# Altium PCB Antenny_v6.PcbDoc (part 1 of 2)
Units mil, origin at the board's own origin, x right, y up, seen from the top; angles counter-clockwise.
Board outline 3580.22 x 1713.89 mil, 2 copper layers (Top Layer, Bottom Layer); 81 components, 117 nets, 397 pads, 191 vias.
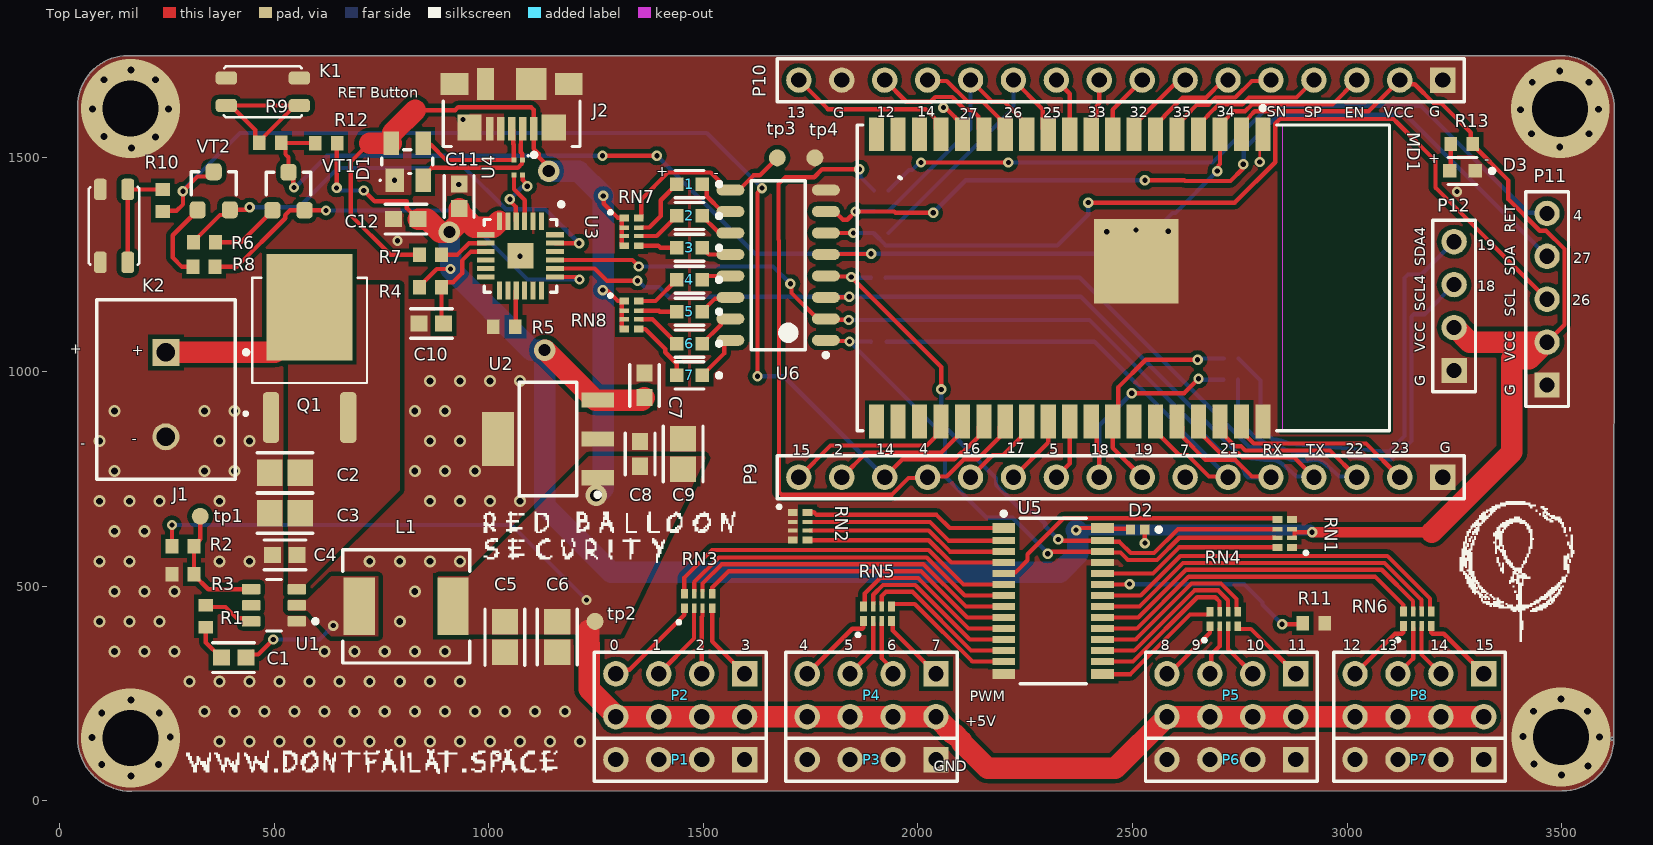
[diagram p0: Top Layer view]
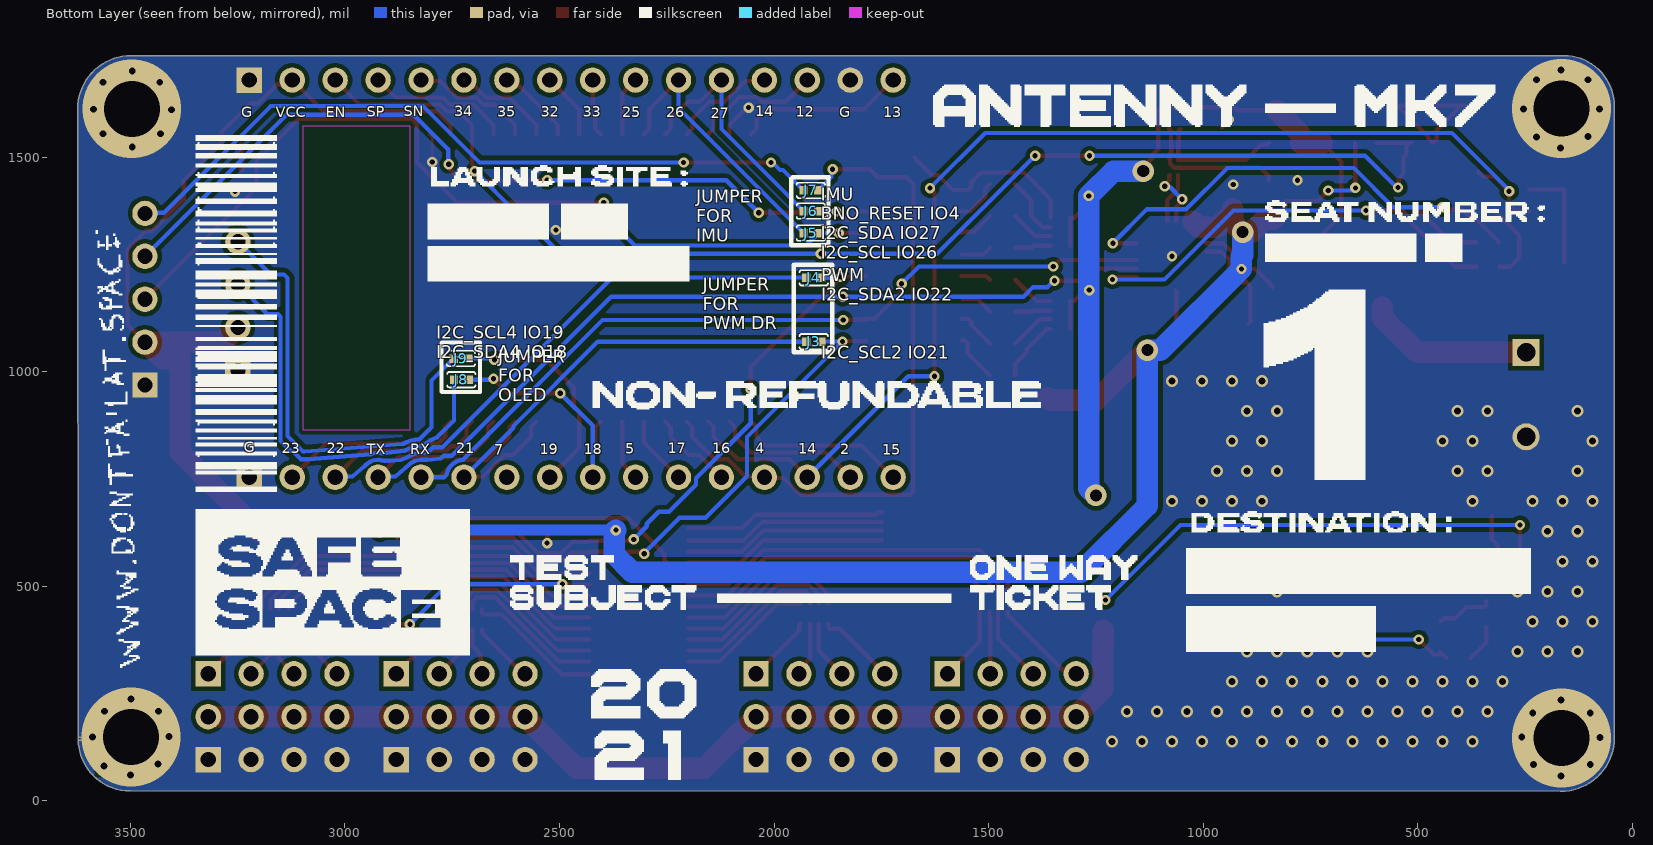
[diagram p1: Bottom Layer view, seen from below]
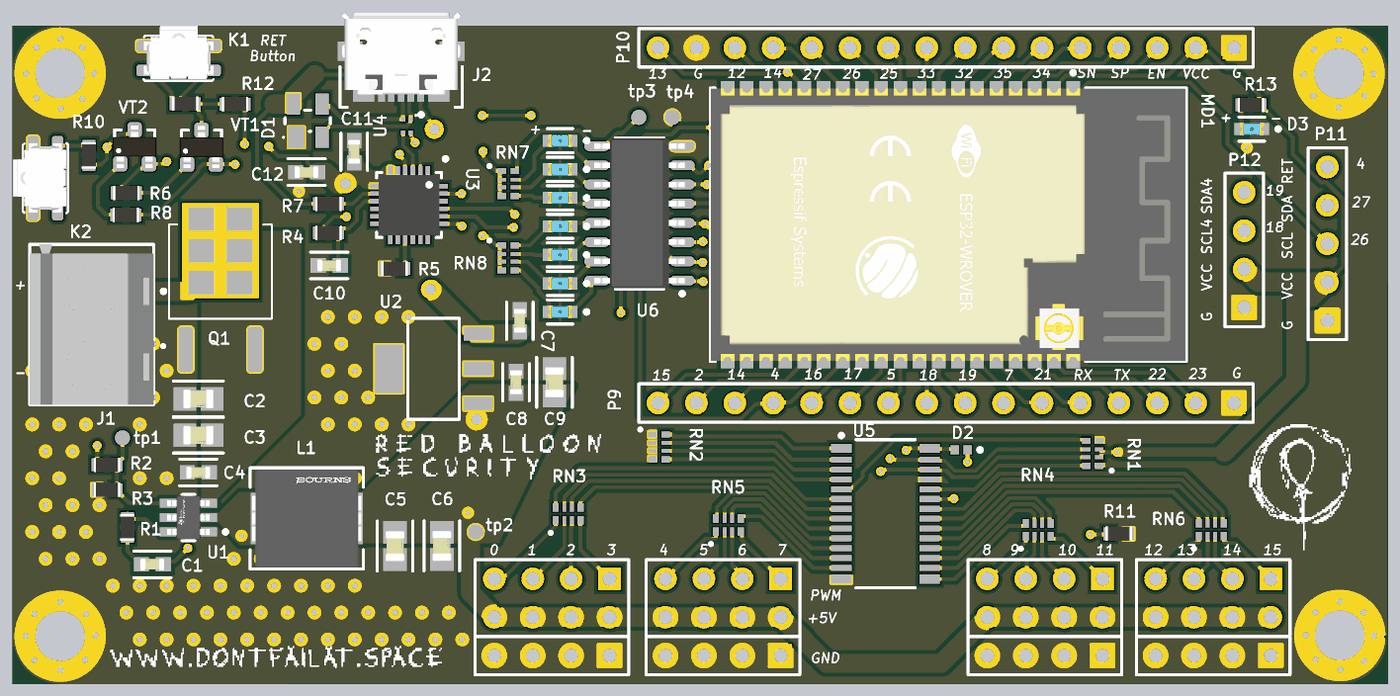
[diagram p3: 3D render of the assembled board from above, using the file's embedded part models]

## Layer stack, top to bottom
Top Solder: solder mask 0.4, Solder Resist, Dk 3.5
Top Layer: signal copper 1.4
Dielectric 1: dielectric 12.6, FR-4, Dk 4.8
Bottom Layer: signal copper 1.4
Bottom Solder: solder mask 0.4, Solder Resist, Dk 3.5

## Board outline
42.21,146.46 cw(c47.23,146.46) 42.25,147.04 cw(c47.23,147.64) 42.21,147.64 42.23,1617.72 cw(c159.75,1618.7) 159.75,1736.23 3497.3,1736.13 cw(c3498.28,1611.98) 3622.43,1611.98 3621.02,144.67 cw(c3617.41,144.66) 3621.02,144.7 3621.02,144.67 cw(c3499.21,143.66) 3621.03,143.67 cw(c3500.39,143.67) 3500.39,23.03 168.31,22.33 cw(c168.31,27.35) 167.83,22.36 cw(c167.36,27.33) 167.4,22.34 cw(c166.34,146.46)

## Design rules (kind name [scope] priority, off if disabled: settings)
Clearance [All] p1: gap=6 ignorepadtopadclearanceinfootprint=TRUE except(0: Arc-Hole Track-Hole SMDPad-Hole THPad-Hole Via-Hole Fill-Hole Poly-Hole Region-Hole Text-Hole; 10: Arc-Fill Arc-Poly Arc-Region Track-Fill Track-Poly Track-Region SMDPad-Fill SMDPad-Poly SMDPad-Region THPad-Fill THPad-Poly THPad-Region Via-Fill Via-Poly Via-Region Fill-Fill Fill-Poly Fill-Region Poly-Poly Poly-Region Region-Region)
ComponentClearance [All] p1: gap=6 collisioncheckmode=3 verticalgap=6 showdistances=FALSE
DiffPairsRouting [All] p1: maxlimit=10 minlimit=6 mostfreqgap=10 toplayer_minwidth=6 toplayer_maxwidth=15 toplayer_prefwidth=10 bottomlayer_minwidth=6 bottomlayer_maxwidth=15 bottomlayer_prefwidth=10 maxuncoupledlength=500
MinimumSolderMaskSliver [All] p1: minsoldermaskwidth=6
PlaneClearance [All] p1: clearance=0
PlaneConnect [All] p1: planeconnectstyle=Direct reliefexpansion=20 reliefentries=4 reliefconductorwidth=10 reliefairgap=10
PolygonConnect [All] p1: connectstyle=Direct reliefconductorwidth=10 reliefentries=4 polygonreliefangle="90 Angle" airgapwidth=10
RoutingVias [All] p1: holewidth=8 width=16 viastyle="Through Hole" minholewidth=6 minwidth=12 maxholewidth=28 maxwidth=50
SilkToSolderMaskClearance [IsPad] p1: minsilkscreentomaskgap=6 clearancetoexposedcopper=TRUE
SolderMaskExpansion [All] p1: expansion=4 istentingtop=FALSE
Width [All] p1: maxlimit=50 minlimit=6 preferedwidth=10
24 further rules are at their usual default settings.

## Classes and differential pairs
component class 06_LED_ARRAY: 1 2 3 4 5 6 7 RN7 RN8 tp3 tp4 U6
component class 05_ESP32: D3 J3 J4 J5 J6 J7 J8 J9 MD1 P9 P10 P11 P12 R12 R13
component class 04_PWMDRIVER: D2 P1 P2 P3 P4 P5 P6 P7 P8 R11 RN1 RN2 RN3 RN4 RN5 RN6 U5
component class 03_PUSHBUTTON: K1 K2 R6 R8 R9 R10 VT1 VT2
component class 02_USB2UART: C10 C11 C12 D1 J2 R4 R5 R7 U3 U4
component class 01_POWER_SUPPLY: C1 C2 C3 C4 C5 C6 C7 C8 C9 J1 L1 Q1 R1 R2 R3 tp1 tp2 U1 U2
differential pair D: +D_P -D_N
differential pair DATA: +DATA_P -DATA_N

## Components (designator, comment, footprint, x,y, rotation, side; value= is the part's Value field where it differs from the comment)
1 "LED0603_BLUE" FP-LTST-C191TBKT-MFG 1467.52,1437 r180 top
2 "LED0603_BLUE" FP-LTST-C191TBKT-MFG 1467.52,1362.69 r180 top
3 "LED0603_BLUE" FP-LTST-C191TBKT-MFG 1467.52,1288.38 r180 top
4 "LED0603_BLUE" FP-LTST-C191TBKT-MFG 1467.52,1214.07 r180 top
5 "LED0603_BLUE" FP-LTST-C191TBKT-MFG 1467.52,1139.76 r180 top
6 "LED0603_BLUE" FP-LTST-C191TBKT-MFG 1467.52,1065.45 r180 top
7 "LED0603_BLUE" FP-LTST-C191TBKT-MFG 1467.52,991.14 r180 top
C1 "C0603_0.1UF" FP-C0603C-CF-IPC_B 405.48,333.66 r0 top
C2 "C0805_10UF" FP-C0805C-DN-IPC_A 525.18,764.77 r180 top
C3 "C0805_10UF" FP-C0805C-DN-IPC_A 525.18,670.13 r180 top
C4 "C0603_0.1UF" FP-C0603C-CF-IPC_B 525.18,573.15 r180 top
C5 "C0805_22uF" FP-C0805C-DN-IPC_A 1037.64,381.36 r270 top
C6 "C0805_22uF" FP-C0805C-DN-IPC_A 1159.45,381.89 r270 top
C7 "C0603_1UF" FP-C0603C-CF-IPC_B 1362.68,968.15 r90 top
C8 "C0603_4.7UF" FP-C0603C-CF-IPC_B 1352.68,808.15 r90 top
C9 "C0805_10UF" FP-C0805C-DN-IPC_A 1452.68,808.15 r90 top
C10 "C0603_0.1UF" FP-C0603C-CF-IPC_B 866.14,1112.2 r180 top
C11 "C0603_4.7UF" FP-C0603C-CF-IPC_B 931.1,1408.46 r90 top
C12 "C0603_0.1UF" FP-C0603C-CF-IPC_B 807.09,1355.31 r180 top
D1 "SP0503BAHTG" LFUS-SOT143-4_V 810.04,1489.17 r90 top
D2 "UCLAMP3311T" SEMT-SLP1006P2-2_V 2511.81,631.89 r180 top
D3 "LED0603_BLUE" FP-LTST-C191TBKT-MFG 3268.7,1467.52 r180 top
J1 "282836-2" TECO-282836-2_V 247.68,946.57 r270 top
J2 "473460001" FP-473460001-MFG 1053.43,1656.46 r180 top
J3 "Jumper" 0402-0R 1907.48,1069.88 r180 bottom
J4 "Jumper" 0402-0R 1907.48,1218.5 r180 bottom
J5 "Jumper" 0402-0R 1914.37,1322.83 r180 bottom
J6 "Jumper" 0402-0R 1914.37,1374.02 r180 bottom
J7 "Jumper" 0402-0R 1914.37,1422.24 r0 bottom
J8 "Jumper" 0402-0R 2728.61,981.3 r0 bottom
J9 "Jumper" 0402-0R 2729.6,1030.51 r0 bottom
K1 "SKSCLAE010" ButtonTACT_3.5*3.55_90 473.78,1652.08 r0 top value=3.4x3.5
K2 "SKSCLAE010" ButtonTACT_3.5*3.55_90 126.97,1339.57 r90 top value=3.4x3.5
L1 "0650_5.6UH" FP-SRP6540-MFG 807.68,453.15 r0 top
MD1 "ESP32-WROVER-IB (16MB)" FP-ESP32-WROVER-MFG 2478.35,1218.31 r270 top
P1 "Header 4" HDR1X4 1596.1,96.1 r180 top
P2 "Header 4X2" HDR2X4 1596.1,296.1 r180 top
P3 "Header 4" HDR1X4 2041.91,96.1 r180 top
P4 "Header 4X2" HDR2X4 2041.91,296.1 r180 top
P5 "Header 4X2" HDR2X4 2880.07,296.1 r180 top
P6 "Header 4" HDR1X4 2880.07,96.1 r180 top
P7 "Header 4" HDR1X4 3318.24,96.1 r180 top
P8 "Header 4X2" HDR2X4 3318.24,296.1 r180 top
P9 "Header 16" HDR1X16 3222.44,753.94 r180 top
P10 "Header 16" HDR1X16 3222.44,1679.13 r180 top
P11 "Header 5" HDR1X5 3465.55,968.7 r90 top
P12 "Header 4" HDR1X4 3249.02,1002.76 r90 top
Q1 "AOD417_PMOS-TO-252-DARP" DPAK228P994X240_3N 582.68,1054.17 r0 top
R1 "R0603_30R" RESC1609X55X30LL15T15 340.55,430.12 r270 top
R2 "R0603_52.3K" RESC1609X55X30LL15T15 287.68,593.15 r180 top
R3 "R0603_10K" RESC1609X55X30LL15T15 287.68,528.15 r0 top
R4 "R0603_10K" RESC1609X55X30LL15T15 864.17,1196.85 r0 top
R5 "R0603_10K" RESC1609X55X30LL15T15 1036.42,1104.33 r180 top
R6 "R0603_10K" RESC1609X55X30LL15T15 337.6,1301.18 r180 top
R7 "R0603_10K" RESC1609X55X30LL15T15 864.17,1272.64 r0 top
R8 "R0603_10K" RESC1609X55X30LL15T15 336.61,1244.09 r0 top
R9 "R0603_1K" RESC1609X55X30LL15T15 491.14,1533.46 r0 top
R10 "R0603_1K" RESC1609X55X30LL15T15 240.16,1398.62 r270 top
R11 "R0603_10K" RESC1609X55X30LL15T15 2922.24,413.39 r180 top
R12 "R0603_10K" RESC1609X55X30LL15T15 621.06,1532.48 r0 top
R13 "R0603_1K" RESC1609X55X30LL15T15 3266.73,1530.51 r0 top
RN1 "YC124_10K" YC124 2854.53,623.03 r180 top
RN2 "YC124_10K" YC124 1725.59,639.76 r0 top
RN3 "YC124_1K" YC124 1488.19,465.35 r90 top
RN4 "YC124_1K" YC124 2712.6,423.43 r90 top
RN5 "YC124_1K" YC124 1905.51,436.02 r90 top
RN6 "YC124_1K" YC124 3163.39,424.21 r90 top
RN7 "YC124_1K" YC124 1332.68,1325.79 r0 top
RN8 "YC124_1K" YC124 1332.68,1131.89 r0 top
tp1 "testpoint" testpoint_1mm#1 327.68,663.15 r0 top locked
tp2 "testpoint" testpoint_1mm#2 1347.68,418.15 r90 top locked
tp3 "testpoint" testpoint_1mm#1 1672.24,1498.03 r90 top locked
tp4 "testpoint" testpoint_1mm#1 1759.84,1498.03 r90 top locked
U1 "TPS56339DDCR" FP-DDC0006A-MFG 499.53,455.75 r180 top
U2 "MCP1826S-3302E/DB" SOT-223-DB3_L 1137.68,843.15 r180 top
U3 "CP2102N-A02-GQFN24" SLAB-QFN-24-2550x2550TP_A_V 1073.9,1269.74 r270 top
U4 "comm_choke" EXC14CE900U 1068.43,1475.51 r270 top
U5 "PCA9685PW,112" SOT361-1_V 2314.96,465.55 r0 top
U6 "ULN2003ADR" D0016A_M 1674.21,1248.03 r180 top
VT1 "S8050" SMT_TRIODE_NPN 533.46,1420.28 r0 top
VT2 "S8050" SMT_TRIODE_NPN 359.25,1421.26 r0 top

## Footprints (in the part's own frame and the unit in brackets; to place one, negate y for a bottom-side part, rotate by r counter-clockwise, add the part's x,y. Pads: shape width x height; smd on the part's side, far side on the other; paste and mask are expansions set on the pad)
0402-0R [mm]
  rect 0.5x0.5 smd: 1(-0.432,0) 2(0.432,0)
  silkscreen extent -0.84,-0.46 0.84,0.46
ButtonTACT_3.5*3.55_90 [mil]
  rrect50% 50x30 smd: 1(-85,32) 2(-85,-32) 3(85,32) 4(85,-32)
  silkscreen extent -91,-59 91,59, body extent -90,-55 91,85, height 56
D0016A_M [mm] "SOIC, 16-Leads, Body 10x4mm, Pitch 1.27mm, IPC Low Density"
  oval 1.65x0.65 smd: 1(-2.825,4.445) 2(-2.825,3.175) 3(-2.825,1.905) 4(-2.825,0.635) 5(-2.825,-0.635) 6(-2.825,-1.905) 7(-2.825,-3.175) 8(-2.825,-4.445) 9(2.825,-4.445) 10(2.825,-3.175) 11(2.825,-1.905) 12(2.825,-0.635) 13(2.825,0.635) 14(2.825,1.905) 15(2.825,3.175) 16(2.825,4.445)
  silkscreen extent -2.95,-5 1.6,5.44, body extent -3,-4.95 3,4.95, height 1.59
DPAK228P994X240_3N [mm]
  rrect50% 0.97x3.02 smd: 1(-2.286,-4.09) 3(2.286,-4.09)
  rect 5.09x6.32 smd paste-4: 4(0,2.44)
  silkscreen extent -3.89,-3.96 3.4,4.18
EXC14CE900U [mm] "Chip Array, Flat, 4-Leads, Pitch 0.50mm,  Body 0.85x0.90mm,  IPC Medium Density"
  rect 0.3x0.3 smd: 1(-0.45,0.25) 2(-0.45,-0.25) 3(0.45,-0.25) 4(0.45,0.25)
  silkscreen extent -0.75,0.55 -0.65,0.65, body extent -0.5,-0.45 0.5,0.45, height 1
FP-473460001-MFG [mm]
  rect 0.45x1.38 smd paste+0 mask+0: 1(-1.3,2.31) 2(-0.65,2.31) 3(0,2.31) 4(0.65,2.31) 5(1.3,2.31)
  rect 1.425x1.55 smd paste+0 mask+0: 6(-2.488,2.225) 7(2.488,2.225)
  rect 1.65x1.3 smd paste+0 mask+0: 8(-3.375,-0.35) 11(3.375,-0.35)
  rect 1.8x1.9 smd paste+0 mask+0: 9(-1.15,-0.35)
  rect 1x1.9 smd paste+0 mask+0: 10(1.55,-0.35)
  silkscreen extent -4.05,0.67 4.05,3.97, body extent -4.3,-2.48 4.3,3.45, height 0.25
FP-C0603C-CF-IPC_B [mil]
  rect 39.63x37.73 smd paste+0 mask+0: 1(-28.58,0) 2(28.58,0)
  silkscreen extent -48,-35 48,35, body extent -58,-29 58,29, height 10
FP-C0805C-DN-IPC_A [mil]
  rect 59.24x61.27 smd paste+0 mask+0: 1(-35.46,0) 2(35.46,0)
  silkscreen extent -65,-46 65,46, body extent -85,-50 85,50, height 10
FP-DDC0006A-MFG [mm]
  rrect17% 1.1x0.6 smd paste+0 mask+0: 1(-1.35,0.95) 2(-1.35,0) 3(-1.35,-0.95) 4(1.35,-0.95) 5(1.35,0) 6(1.35,0.95)
  silkscreen extent -2.58,-1.53 0.42,1.53, body extent -2,-1.63 2,1.63, height 0.25
FP-ESP32-WROVER-MFG [mm]
  rect 2x0.9 smd paste+0 mask+0: 1(-8.5,8.26) 2(-8.5,6.99) 3(-8.5,5.72) 4(-8.5,4.45) 5(-8.5,3.18) 6(-8.5,1.91) 7(-8.5,0.64) 8(-8.5,-0.63) 9(-8.5,-1.9) 10(-8.5,-3.17) 11(-8.5,-4.44) 12(-8.5,-5.71) 13(-8.5,-6.98) 14(-8.5,-8.25) 15(-8.5,-9.52) 16(-8.5,-10.79) 17(-8.5,-12.06) 18(-8.5,-13.33) 19(-8.5,-14.6) 20(8.5,-14.6) 21(8.5,-13.33) 22(8.5,-12.06) 23(8.5,-10.79) 24(8.5,-9.52) 25(8.5,-8.25) 26(8.5,-6.98) 27(8.5,-5.71) 28(8.5,-4.44) 29(8.5,-3.17) 30(8.5,-1.9) 31(8.5,-0.63) 32(8.5,0.64) 33(8.5,1.91) 34(8.5,3.18) 35(8.5,4.45) 36(8.5,5.72) 37(8.5,6.99) 38(8.5,8.26)
  rect 5x5 smd paste+0 mask+0: 39(-1,0.76)
  Keep-Out Layer region: -9,9.4 9,9.4 9,15.7 -9,15.7
  silkscreen extent -10.17,-15.75 9.05,15.75, body extent -9.6,-15.85 9.6,15.85, height 0.25
FP-LTST-C191TBKT-MFG [mm]
  rect 0.8x0.8 smd paste+0 mask+0: 1(-0.75,0) 2(0.75,0)
  silkscreen extent -1.88,-0.8 0.85,0.8, body extent -1.25,-0.55 1.25,0.55, height 0.25
FP-SRP6540-MFG [mm]
  rect 1.85x3.4 smd paste+0 mask+0: 1(-2.775,0) 2(2.775,0)
  silkscreen extent -3.75,-3.35 3.75,3.35, body extent -3.85,-3.45 3.85,3.45, height 0.25
HDR1X4 [mm] "Connector; Header; 4 Position"
  rect 1.5x1.5 hole 0.9: 1(0,0)
  round 1.5 hole 0.9: 2(2.54,0) 3(5.08,0) 4(7.62,0)
  silkscreen extent -1.27,-1.27 8.89,1.27
HDR1X5 [mm] "Connector; Header; 5 Position"
  rect 1.5x1.5 hole 0.9: 1(0,0)
  round 1.5 hole 0.9: 2(2.54,0) 3(5.08,0) 4(7.62,0) 5(10.16,0)
  silkscreen extent -1.27,-1.27 11.43,1.27
HDR1X16 [mm] "Connector; Header; 16 Position"
  rect 1.5x1.5 hole 0.9: 1(0,0)
  round 1.5 hole 0.9: 2(2.54,0) 3(5.08,0) 4(7.62,0) 5(10.16,0) 6(12.7,0) 7(15.24,0) 8(17.78,0) 9(20.32,0) 10(22.86,0) 11(25.4,0) 12(27.94,0) 13(30.48,0) 14(33.02,0) 15(35.56,0) 16(38.1,0)
  silkscreen extent -1.27,-1.27 39.37,1.27
HDR2X4 [mm] "Connector; Header; 4x2 Position"
  rect 1.5x1.5 hole 0.9: 1(0,0)
  round 1.5 hole 0.9: 2(0,2.54) 3(2.54,0) 4(2.54,2.54) 5(5.08,0) 6(5.08,2.54) 7(7.62,0) 8(7.62,2.54)
  silkscreen extent -1.27,-1.27 8.89,3.81
LFUS-SOT143-4_V [mm] "SOT143, 4-Leads, Body 3.04x1.4mm, Pitch 1.90mm"
  rect 1.4x1.1 smd: 1(-1.1,0.75)
  rect 1.4x0.9 smd: 2(-1.1,-0.95) 3(1.1,-0.95) 4(1.1,0.95)
  silkscreen extent -1.15,-1.5 0.7,1.65, body extent -0.7,-1.52 0.7,1.52, height 1.22
RESC1609X55X30LL15T15 [mm] "Chip Resistor, 2-Leads, Body 1.75x0.95mm, IPC High Density"
  rect 0.75x0.85 smd: 1(-0.65,0) 2(0.65,0)
  body extent -0.87,-0.48 0.87,0.48, height 0.55
SEMT-SLP1006P2-2_V [mm] "SMD, 2-Leads, Body 1x0.6mm"
  rect 0.55x0.6 smd: 1(-0.425,0) 2(0.425,0)
  silkscreen extent -1.38,-0.12 -1.13,0.12, body extent -0.5,-0.3 0.5,0.3, height 0.55
SLAB-QFN-24-2550x2550TP_A_V [mm] "QFN, 6-Leads, Body 4x4mm, Pitch 0.5mm, Thermal Pad 2.55x2.55mm"
  rect 1.053x0.3 smd: 1(-2.052,1.25) 2(-2.052,0.75) 3(-2.052,0.25) 4(-2.052,-0.25) 5(-2.052,-0.75) 6(-2.052,-1.25) 13(2.052,-1.25) 14(2.052,-0.75) 15(2.052,-0.25) 16(2.052,0.25) 17(2.052,0.75) 18(2.052,1.25)
  rect 0.3x1.053 smd: 7(-1.25,-2.052) 8(-0.75,-2.052) 9(-0.25,-2.052) 10(0.25,-2.052) 11(0.75,-2.052) 12(1.25,-2.052) 19(1.25,2.052) 20(0.75,2.052) 21(0.25,2.052) 22(-0.25,2.052) 23(-0.75,2.052) 24(-1.25,2.052)
  rect 1.524x1.524 smd: 25(0,0)
  silkscreen extent -3.17,-2.15 2.15,2.54, body extent -2,-2 2,2, height 0.8
SMT_TRIODE_NPN [mm]
  rrect50% 0.95x1 smd: 1(-0.95,-1.125) 2(0.95,-1.125) 3(0,1.125)
  silkscreen extent -1.33,-0.22 1.32,1.13, body extent -1.45,-1.4 1.45,1.4, height 1.3
SOT361-1_V [mm] "SOP, 28-Leads, Body 9.7x4.4mm, Pitch 0.65mm, NXP Recommended"
  rect 1.35x0.6 smd: 1(-2.925,4.325) 14(-2.925,-4.325) 15(2.925,-4.325) 28(2.925,4.325)
  rect 1.35x0.4 smd: 2(-2.925,3.575) 3(-2.925,2.925) 4(-2.925,2.275) 5(-2.925,1.625) 6(-2.925,0.975) 7(-2.925,0.325) 8(-2.925,-0.325) 9(-2.925,-0.975) 10(-2.925,-1.625) 11(-2.925,-2.275) 12(-2.925,-2.925) 13(-2.925,-3.575) 16(2.925,-3.575) 17(2.925,-2.925) 18(2.925,-2.275) 19(2.925,-1.625) 20(2.925,-0.975) 21(2.925,-0.325) 22(2.925,0.325) 23(2.925,0.975) 24(2.925,1.625) 25(2.925,2.275) 26(2.925,2.925) 27(2.925,3.575)
  silkscreen extent -3.05,-4.9 1.96,5.3, body extent -2.2,-4.85 2.2,4.85, height 1.1
SOT-223-DB3_L [mm] "SOT223, 4-Leads, Body 6.5x3.5mm, Pitch 2.3mm, Lead Span 7mm, IPC High Density"
  rect 1.9x0.9 smd: 1(-2.95,2.3) 2(-2.95,0) 3(-2.95,-2.3)
  rect 1.9x3.2 smd: 4(2.95,0)
  silkscreen extent -3.08,-3.35 1.7,3.42, body extent -1.85,-3.35 1.85,3.35, height 1.8
TECO-282836-2_V [mm] "Female Header, Pitch 5mm, 1 x 2 Position, Height 10mm"
  rect 1.6x1.6 hole 1.1: 1(-2.5,0)
  round 1.6 hole 1.1: 2(2.5,0)
  silkscreen extent -5.6,-4.1 5,4.88, body extent -5.6,-4.1 5,4.1, height 10
testpoint_1mm#1 [mm]
  round 1 smd: 1(0,0)
testpoint_1mm#2 [mm]
  round 1 smd: 1(0,2.54)
YC124 [mm]
  rect 0.57x0.41 smd: 1(-0.43,0.825) 4(-0.43,-0.825) 5(0.43,-0.825) 8(0.43,0.825)
  rect 0.57x0.26 smd: 2(-0.43,0.25) 3(-0.43,-0.25) 6(0.43,-0.25) 7(0.43,0.25)
  silkscreen extent -1.35,1.05 -1.15,1.25

## Part data
1 2 3 4 5 6 7 D3: library part CMP-22017-000008-1, "LED BLUE CLEAR CHIP SMD", Case Code (Imperial)=0603, Case Code (Metric)=1608, Color=Blue, Forward Current=20mA, Forward Voltage=3.8V, Lens Color=Colorless, Max Operating Temperature=80°C, Max Power Dissipation=75mW, Min Operating Temperature=-20°C, Package Quantity=1, Power Dissipation=76mW, Reverse Voltage=5V, Case/Package=0603, Depth=1.6mm, Dominant Wavelength=475nm, Height=0.55mm, Illumination Color=Blue, Lead Free="Lead Free", Length=0.8mm, Lens Style=Diffused, Lens Transparency=Clear, Luminous Intensity=180mcd, Mount="Surface Mount", Number of Elements=1, Number of LEDs=1, Number of Pins=2, Packaging="Tape and Reel", Radiation Hardening=No, Test Current=20mA, Viewing Angle=130°, Wavelength=468nm, Width=0.8mm
C1 C4 C10 C12: library part C0603, "Multilayer Ceramic Capacitors MLCC Surface Mount 0603 0.1uF 50 Volts X7R 10%", Capacitance=100nF, Case Code (Imperial)=0603, Case Code (Metric)=1608, Dielectric=X7R, Dielectric Material=Ceramic, Insulation Resistance=10GR, Manufacturer=Murata, Manufacturer Part Number=GRM188R71H104KA93D, Max Operating Temperature=125°C, Min Operating Temperature=-55°C, Package Quantity=1, Supplier Part Number 1=8820023, Tolerance=10%, Voltage=50V, Case/Package=0603, Category="Ceramic Capacitors", ComponentLink1Description=https://datasheet.ciiva.com/19467/1857604-19467681.pdf?src-supplier=Jameco, ComponentLink1URL=https://datasheet.ciiva.com/19467/1857604-19467681.pdf?src-supplier=Jameco, ComponentLink2Description=https://datasheet.ciiva.com/11786/0900766b807a1cab-11786047.pdf?src-supplier=RSComponents, ComponentLink2URL=https://datasheet.ciiva.com/11786/0900766b807a1cab-11786047.pdf?src-supplier=RSComponents, ComponentLink3Description=https://datasheet.ciiva.com/29201/451744-da-01-en-vs-kondensator-0603-29201904.pdf?src-supplier=Conrad, ComponentLink3URL=https://datasheet.ciiva.com/29201/451744-da-01-en-vs-kondensator-0603-29201904.pdf?src-supplier=Conrad, ComponentLink4Description=https://datasheet.ciiva.com/131/partnumbering-e-01-131738.pdf?src-supplier=Digi-Key, ComponentLink4URL=https://datasheet.ciiva.com/131/partnumbering-e-01-131738.pdf?src-supplier=Digi-Key, ComponentLink5Description=https://datasheet.ciiva.com/131/partnumbering-e-01-131739.pdf?src-supplier=Digi-Key, ComponentLink5URL=https://datasheet.ciiva.com/131/partnumbering-e-01-131739.pdf?src-supplier=Digi-Key, ComponentLink6Description=https://datasheet.ciiva.com/131/partnumbering-e-01-131740.pdf?src-supplier=Digi-Key, ComponentLink6URL=https://datasheet.ciiva.com/131/partnumbering-e-01-131740.pdf?src-supplier=Digi-Key, ComponentLink7Description=https://datasheet.ciiva.com/48436/nmgrm-data-en-48436667.pdf?src-supplier=Distrelec, ComponentLink7URL=https://datasheet.ciiva.com/48436/nmgrm-data-en-48436667.pdf?src-supplier=Distrelec, ComponentLink8Description=https://datasheet.ciiva.com/14116/nmgrm-data-en-14116602.pdf?src-supplier=Distrelec, ComponentLink8URL=https://datasheet.ciiva.com/14116/nmgrm-data-en-14116602.pdf?src-supplier=Distrelec, ComponentLink9Description=https://datasheet.ciiva.com/28534/4360-28534245.pdf?src-supplier=Element14, ComponentLink9URL=https://datasheet.ciiva.com/28534/4360-28534245.pdf?src-supplier=Element14, ComponentLink10Description=https://datasheet.ciiva.com/7937/4360-7937659.pdf?src-supplier=Element14, ComponentLink10URL=https://datasheet.ciiva.com/7937/4360-7937659.pdf?src-supplier=Element14, ComponentLink11Description=https://datasheet.ciiva.com/7937/1747470-7937658.pdf?src-supplier=Element14, ComponentLink11URL=https://datasheet.ciiva.com/7937/1747470-7937658.pdf?src-supplier=Element14, Contact Plating=Tin,Matte, Depth=0.8mm, Height=0.8mm, Lead Free="Lead Free", Length=1.6mm, Material=Ceramic, Mount="Surface Mount", Number of Pins=2, Packaging="Tape and Reel", Pricing 1="10=0.04520, 100=0.02000, 500=0.01550, 1000=0.01360, 2000=0.01130, 4000=0.00980, 20000=0.00730, 40000=0.00720 (GBP)", Radiation Hardening=No, REACH SVHC="No SVHC", RoHS=Yes, RoHS Compliant=Yes, Supplier 1=Farnell, Termination=SMD/SMT, Thickness=0.035inch, Voltage Rating=50V, Voltage Rating (DC)=50V, Width=0.8mm
C2 C3 C9: library part C0805, "MURATA - GRM21BR61E106MA73L - SMD Multilayer Ceramic Capacitor, 10 µF, 25 V, 0805 [2012 Metric], ± 20%, X5R, GRM Series", Capacitance=10uF, Case Code (Imperial)=0805, Case Code (Metric)=2012, Dielectric=X5R, Manufacturer=Murata, Manufacturer Part Number=GRM21BR61E106MA73L, Max Operating Temperature=85°C, Min Operating Temperature=-55°C, Package Quantity=3000, Resistor Type=Ceramic, Supplier Part Number 1=490-10748-1-ND, Tolerance=20%, Voltage Rating=25V, Case/Package=0805, Category="Ceramic Capacitors", ComponentLink1Description=http://www.farnell.com/datasheets/2079185.pdf?src-supplier=Farnell, ComponentLink1URL=http://www.farnell.com/datasheets/2079185.pdf?src-supplier=Farnell, ComponentLink2Description=Datasheet, ComponentLink2URL=https://content.kemet.com/datasheets/KEM_C1003_C0G_SMD.pdf, ComponentLink3Description=http://www.mouser.com/ds/2/281/c02e-2905.pdf?src-supplier=Mouser, ComponentLink3URL=http://www.mouser.com/ds/2/281/c02e-2905.pdf?src-supplier=Mouser, ComponentLink4Description=http://components.arrow.com/part/dataview/0323_03061623?src-supplier=Arrow+Europe, ComponentLink4URL=http://components.arrow.com/part/dataview/0323_03061623?src-supplier=Arrow+Europe, ComponentLink5Description=https://search.murata.co.jp/Ceramy/image/img/A01X/G101/ENG/GRM21BR61E106MA73-01.pdf?src-supplier=Digi-Key, ComponentLink5URL=https://search.murata.co.jp/Ceramy/image/img/A01X/G101/ENG/GRM21BR61E106MA73-01.pdf?src-supplier=Digi-Key, ComponentLink6Description=http://www.farnell.com/datasheets/2079185.pdf?src-supplier=Element14, ComponentLink6URL=http://www.farnell.com/datasheets/2079185.pdf?src-supplier=Element14, Depth=1.25mm, Height=1.25mm, Lead Free="Lead Free", Length=2mm, Mount="Surface Mount", Packaging="Tape and Reel", Pricing 1="1=0.26000, 10=0.17900, 50=0.11960, 100=0.10170, 500=0.07176, 1000=0.06279 (USD)", REACH SVHC="No SVHC", RoHS=Yes, RoHS Compliant=Yes, Supplier 1=Digi-Key, Termination=SMD/SMT, Thickness=0.055inch, Voltage Rating (DC)=25V, Weight=0.000335oz, Width=0.049inch
  C2 C3: Stock 1=272100
  C9: Stock 1=263487
C5 C6: library part C0805, "TDK - C2012X7S1A226M125AC - SMD Multilayer Ceramic Capacitor, 22 µF, 10 V, 0805 [2012 Metric], ± 20%, X7S, C Series", Capacitance=22uF, Case Code (Imperial)=0805, Case Code (Metric)=2012, Dielectric=X7S, Dielectric Material=Ceramic, Manufacturer=TDK, Manufacturer Part Number=C2012X7S1A226M125AC, Max Operating Temperature=125°C, Min Operating Temperature=-55°C, Package Quantity=2000, Supplier Part Number 1=9159463P, Tolerance=20%, Voltage Rating=10V, Case/Package=0805, Category="Ceramic Capacitors", ComponentLink1Description=https://datasheet.ciiva.com/14893/tdkmlcccaprange-14893287.pdf?src-supplier=Digi-Key, ComponentLink1URL=https://datasheet.ciiva.com/14893/tdkmlcccaprange-14893287.pdf?src-supplier=Digi-Key, ComponentLink2Description=Datasheet, ComponentLink2URL=https://content.kemet.com/datasheets/KEM_C1003_C0G_SMD.pdf, ComponentLink3Description=https://datasheet.ciiva.com/14893/tdkmlcccaprange-14893288.pdf?src-supplier=Digi-Key, ComponentLink3URL=https://datasheet.ciiva.com/14893/tdkmlcccaprange-14893288.pdf?src-supplier=Digi-Key, ComponentLink4Description=https://datasheet.ciiva.com/14893/tdkmlcccaprange-14893289.pdf?src-supplier=Digi-Key, ComponentLink4URL=https://datasheet.ciiva.com/14893/tdkmlcccaprange-14893289.pdf?src-supplier=Digi-Key, Height=1.25mm, Lead Free="Lead Free", Length=0.079inch, Mount="Surface Mount", Packaging="Tape and Reel", Pricing 1="5=0.92400, 25=0.86000, 100=0.75800, 250=0.62800, 500=0.51700 (USD)", REACH SVHC="No SVHC", RoHS=Yes, RoHS Compliant=Yes, Series=C, Stock 1=1, Supplier 1=RSComponents, Termination=SMD/SMT, Thickness=0.057inch, Voltage Rating (DC)=10V, Weight=0.000194oz, Width=1.25mm
C7: library part C0603, "0603 1 uF 50 V ±10% Tolerance X5R Surface Mount Multilayer Ceramic Capacitor", Capacitance=1uF, Case Code (Imperial)=0603, Case Code (Metric)=1608, Dielectric=X5R, Manufacturer="Taiyo Yuden", Manufacturer Part Number=UMK107BJ105KA-T, Max Operating Temperature=85°C, Min Operating Temperature=-55°C, Package Quantity=1, Supplier Part Number 1=06X2717, Tolerance=10%, Voltage Rating=50V, Case/Package=0603, Category="Ceramic Capacitors", ComponentLink1Description=https://datasheet.ciiva.com/134/umk107bj105ka-t-ss-134740.pdf?src-supplier=Digi-Key, ComponentLink1URL=https://datasheet.ciiva.com/134/umk107bj105ka-t-ss-134740.pdf?src-supplier=Digi-Key, ComponentLink2Description=https://datasheet.ciiva.com/11601/umk107bj105ka-t-ss-11601811.pdf?src-supplier=Avnet, ComponentLink2URL=https://datasheet.ciiva.com/11601/umk107bj105ka-t-ss-11601811.pdf?src-supplier=Avnet, ComponentLink3Description=https://datasheet.ciiva.com/5744/1697715-5744913.pdf?src-supplier=Farnell, ComponentLink3URL=https://datasheet.ciiva.com/5744/1697715-5744913.pdf?src-supplier=Farnell, ComponentLink4Description=https://datasheet.ciiva.com/30199/43umk107bj105ka-t-30199791.pdf?src-supplier=Onlinecomponents.com, ComponentLink4URL=https://datasheet.ciiva.com/30199/43umk107bj105ka-t-30199791.pdf?src-supplier=Onlinecomponents.com, ComponentLink5Description=https://datasheet.ciiva.com/15922/336umk107bj105ka-t-15922611.pdf?src-supplier=Onlinecomponents.com, ComponentLink5URL=https://datasheet.ciiva.com/15922/336umk107bj105ka-t-15922611.pdf?src-supplier=Onlinecomponents.com, ComponentLink6Description=https://datasheet.ciiva.com/5427/mlcc-all-e-541559-5427036.pdf?src-supplier=Mouser, ComponentLink6URL=https://datasheet.ciiva.com/5427/mlcc-all-e-541559-5427036.pdf?src-supplier=Mouser, ComponentLink7Description=https://datasheet.ciiva.com/7975/mlcc-all-e-7975898.pdf?src-supplier=Element14, ComponentLink7URL=https://datasheet.ciiva.com/7975/mlcc-all-e-7975898.pdf?src-supplier=Element14, ComponentLink8Description=https://datasheet.ciiva.com/7975/1697715-7975608.pdf?src-supplier=Element14, ComponentLink8URL=https://datasheet.ciiva.com/7975/1697715-7975608.pdf?src-supplier=Element14, ComponentLink9Description=https://datasheet.ciiva.com/22694/1697715-22694278.pdf?src-supplier=Element14, ComponentLink9URL=https://datasheet.ciiva.com/22694/1697715-22694278.pdf?src-supplier=Element14, Construction=Flat, Contact Plating=Nickel, Depth=0.8mm, Halogen Free="Halogen Free", Height=0.8mm, Length=1.6mm, Mount="Surface Mount", Number of Pins=2, Packaging="Tape and Reel", Pricing 1="4000=0.05100, 8000=0.04300, 16000=0.03800, 24000=0.03500 (USD)", Radiation Hardening=No, REACH SVHC=Unknown, RoHS=Yes, RoHS Compliant=Yes, Series=M, Stock 1=80000, Supplier 1=Newark, Termination=SMD/SMT, Thickness=0.035inch, Voltage Rating (DC)=50V, Width=0.031inch
C8 C11: library part C0603, "CAP CER 4.7UF 0603", Capacitance=4.7uF, Case Code (Imperial)=0402, Case Code (Metric)=1005, Dielectric=X5R, Manufacturer=Murata, Manufacturer Part Number=GRM155R60J475ME47D, Max Operating Temperature=85°C, Min Operating Temperature=-55°C, Package Quantity=10000, Tolerance=20%, Voltage=6.3V, Case/Package=0402, Category="Ceramic Capacitors", ComponentLink1Description=https://datasheet.ciiva.com/6270/product-6270483.pdf?src-supplier=Digi-Key, ComponentLink1URL=https://datasheet.ciiva.com/6270/product-6270483.pdf?src-supplier=Digi-Key, ComponentLink2Description=https://datasheet.ciiva.com/6268/partnumbering-e-01-6268378.pdf?src-supplier=Digi-Key, ComponentLink2URL=https://datasheet.ciiva.com/6268/partnumbering-e-01-6268378.pdf?src-supplier=Digi-Key, ComponentLink3Description=https://datasheet.ciiva.com/6268/partnumbering-e-01-6268382.pdf?src-supplier=Digi-Key, ComponentLink3URL=https://datasheet.ciiva.com/6268/partnumbering-e-01-6268382.pdf?src-supplier=Digi-Key, ComponentLink4Description=https://datasheet.ciiva.com/46418/1769893-46418045.pdf?src-supplier=Element14, ComponentLink4URL=https://datasheet.ciiva.com/46418/1769893-46418045.pdf?src-supplier=Element14, ComponentLink5Description=https://datasheet.ciiva.com/46418/1769893-46418044.pdf?src-supplier=Element14, ComponentLink5URL=https://datasheet.ciiva.com/46418/1769893-46418044.pdf?src-supplier=Element14, Contact Plating=Tin, Depth=0.5mm, Height=0.5mm, Lead Free="Lead Free", Length=1mm, Mount="Surface Mount", Packaging="Cut Tape", Pricing 1="10000=0.01960, 20000=0.01861, 40000=0.01762, 60000=0.01663, 80000=0.01564, 100000=0.01465, 1000000=0.01366 (USD)", REACH SVHC="No SVHC", RoHS=Yes, RoHS Compliant=Yes, Series=GRM, Stock 1=420000, Termination=Standard, Thickness=0.022inch, Voltage Rating=6.3V, Voltage Rating (DC)=6.3V, Weight=0.000212oz, Width=0.5mm
D1: library part CMP-2000-05191-1, "TVS Diode Array, 30 pF, 30 KV, -40 to 85 degC, 4-Pin SOT143, RoHS, Tape and Reel", Capacitance Value=30pF, Clamping Voltage=8V, Leakage Current=0.1uA, Manufacturer=Littelfuse, Operating Temp Range=-40Cto85C, Operating Temperature Classification=Industrial, Operating Temperature Max Deg. C=85C, Operating Temperature Min Deg. C=-40C, Package / Case=SOT-143, Reverse Stand-off Voltage=5.5(Min)V, Working Voltage=5.5V, Working Voltage (Max)=5.5V(Min), Clamping Voltage (Max)=8V, Configuration=Triple, Datasheet URL=https://datasheet.ciiva.com/15143/getdatasheetpartid-116020-15143550.pdf, Datasheet Version=Dec-13, Direction Type=Uni-Directional, Leakage Current (Max)=0.1uA, Manufacturer URL=http://www.littelfuse.com/, Mounting=SurfaceMount, Mounting Style=SurfaceMount, Number of Elements=3, Package Type=SOT-143, Packaging=TapeandReel, Pin Count=3+Tab, Polarity=Uni-Directional, Product Depth (mm)=1.4mm, Product Height (mm)=1.05mm, Product Length (mm)=3.04mm, Rad Hardened=No, Suppressor Type=TVS
D2: library part TVS_CLAMP, "SEMTECH - UCLAMP3311T.TCT - TVS ARRAY, 40W, 3.3V, BI-DIRECTIONAL, SLP1006P2T", Case Code (Imperial)=0402, Case Code (Metric)=1006, Clamping Voltage=8V, Leakage Current=50nA, Manufacturer=Semtech, Manufacturer Part Number=UCLAMP3311T.TCT, Max Operating Temperature=85°C, Min Breakdown Voltage=3.5V, Min Operating Temperature=-40°C, Peak Pulse Current=5A, Peak Pulse Power=40W, Power Line Protection=No, Resistor Type=Zener, Reverse Standoff Voltage=3.3V, Supplier Part Number 1=UCLAMP3311TTCTCT-ND, Case/Package=0402, Category="TVS Diodes", ComponentLink1Description=https://datasheet.ciiva.com/25956/uclamp3311t-25956948.pdf?src-supplier=Avnet+Europe, ComponentLink1URL=https://datasheet.ciiva.com/25956/uclamp3311t-25956948.pdf?src-supplier=Avnet+Europe, ComponentLink2Description=https://datasheet.ciiva.com/11195/uclamp3311t-11195117.pdf?src-supplier=Avnet, ComponentLink2URL=https://datasheet.ciiva.com/11195/uclamp3311t-11195117.pdf?src-supplier=Avnet, ComponentLink3Description=https://datasheet.ciiva.com/29588/uclamp3311t-29588805.pdf?src-supplier=Digi-Key, ComponentLink3URL=https://datasheet.ciiva.com/29588/uclamp3311t-29588805.pdf?src-supplier=Digi-Key, ComponentLink4Description=https://datasheet.ciiva.com/29588/uclamp3311t-29588806.pdf?src-supplier=Digi-Key, ComponentLink4URL=https://datasheet.ciiva.com/29588/uclamp3311t-29588806.pdf?src-supplier=Digi-Key, ComponentLink5Description=https://datasheet.ciiva.com/29588/uclamp3311t-29588807.pdf?src-supplier=Digi-Key, ComponentLink5URL=https://datasheet.ciiva.com/29588/uclamp3311t-29588807.pdf?src-supplier=Digi-Key, Depth=0.6mm, Diode Type=ZENER, Direction=Bidirectional, Element Configuration=Single, Length=1mm, Mount="Surface Mount", Number of Bidirectional Channels=1, Number of Pins=2, Packaging="Tape and Reel", Pricing 1="1=0.74000, 10=0.65300, 100=0.50090, 500=0.39600, 1000=0.31680 (USD)", Radiation Hardening=No, RoHS=Yes, RoHS Compliant=Yes, Series=uClamp®, Stock 1=13131, Supplier 1=Digi-Key, Working Voltage=3.3V